# Altium PCB KlusterLab r2.0.PcbDoc (part 3 of 22) (continued)
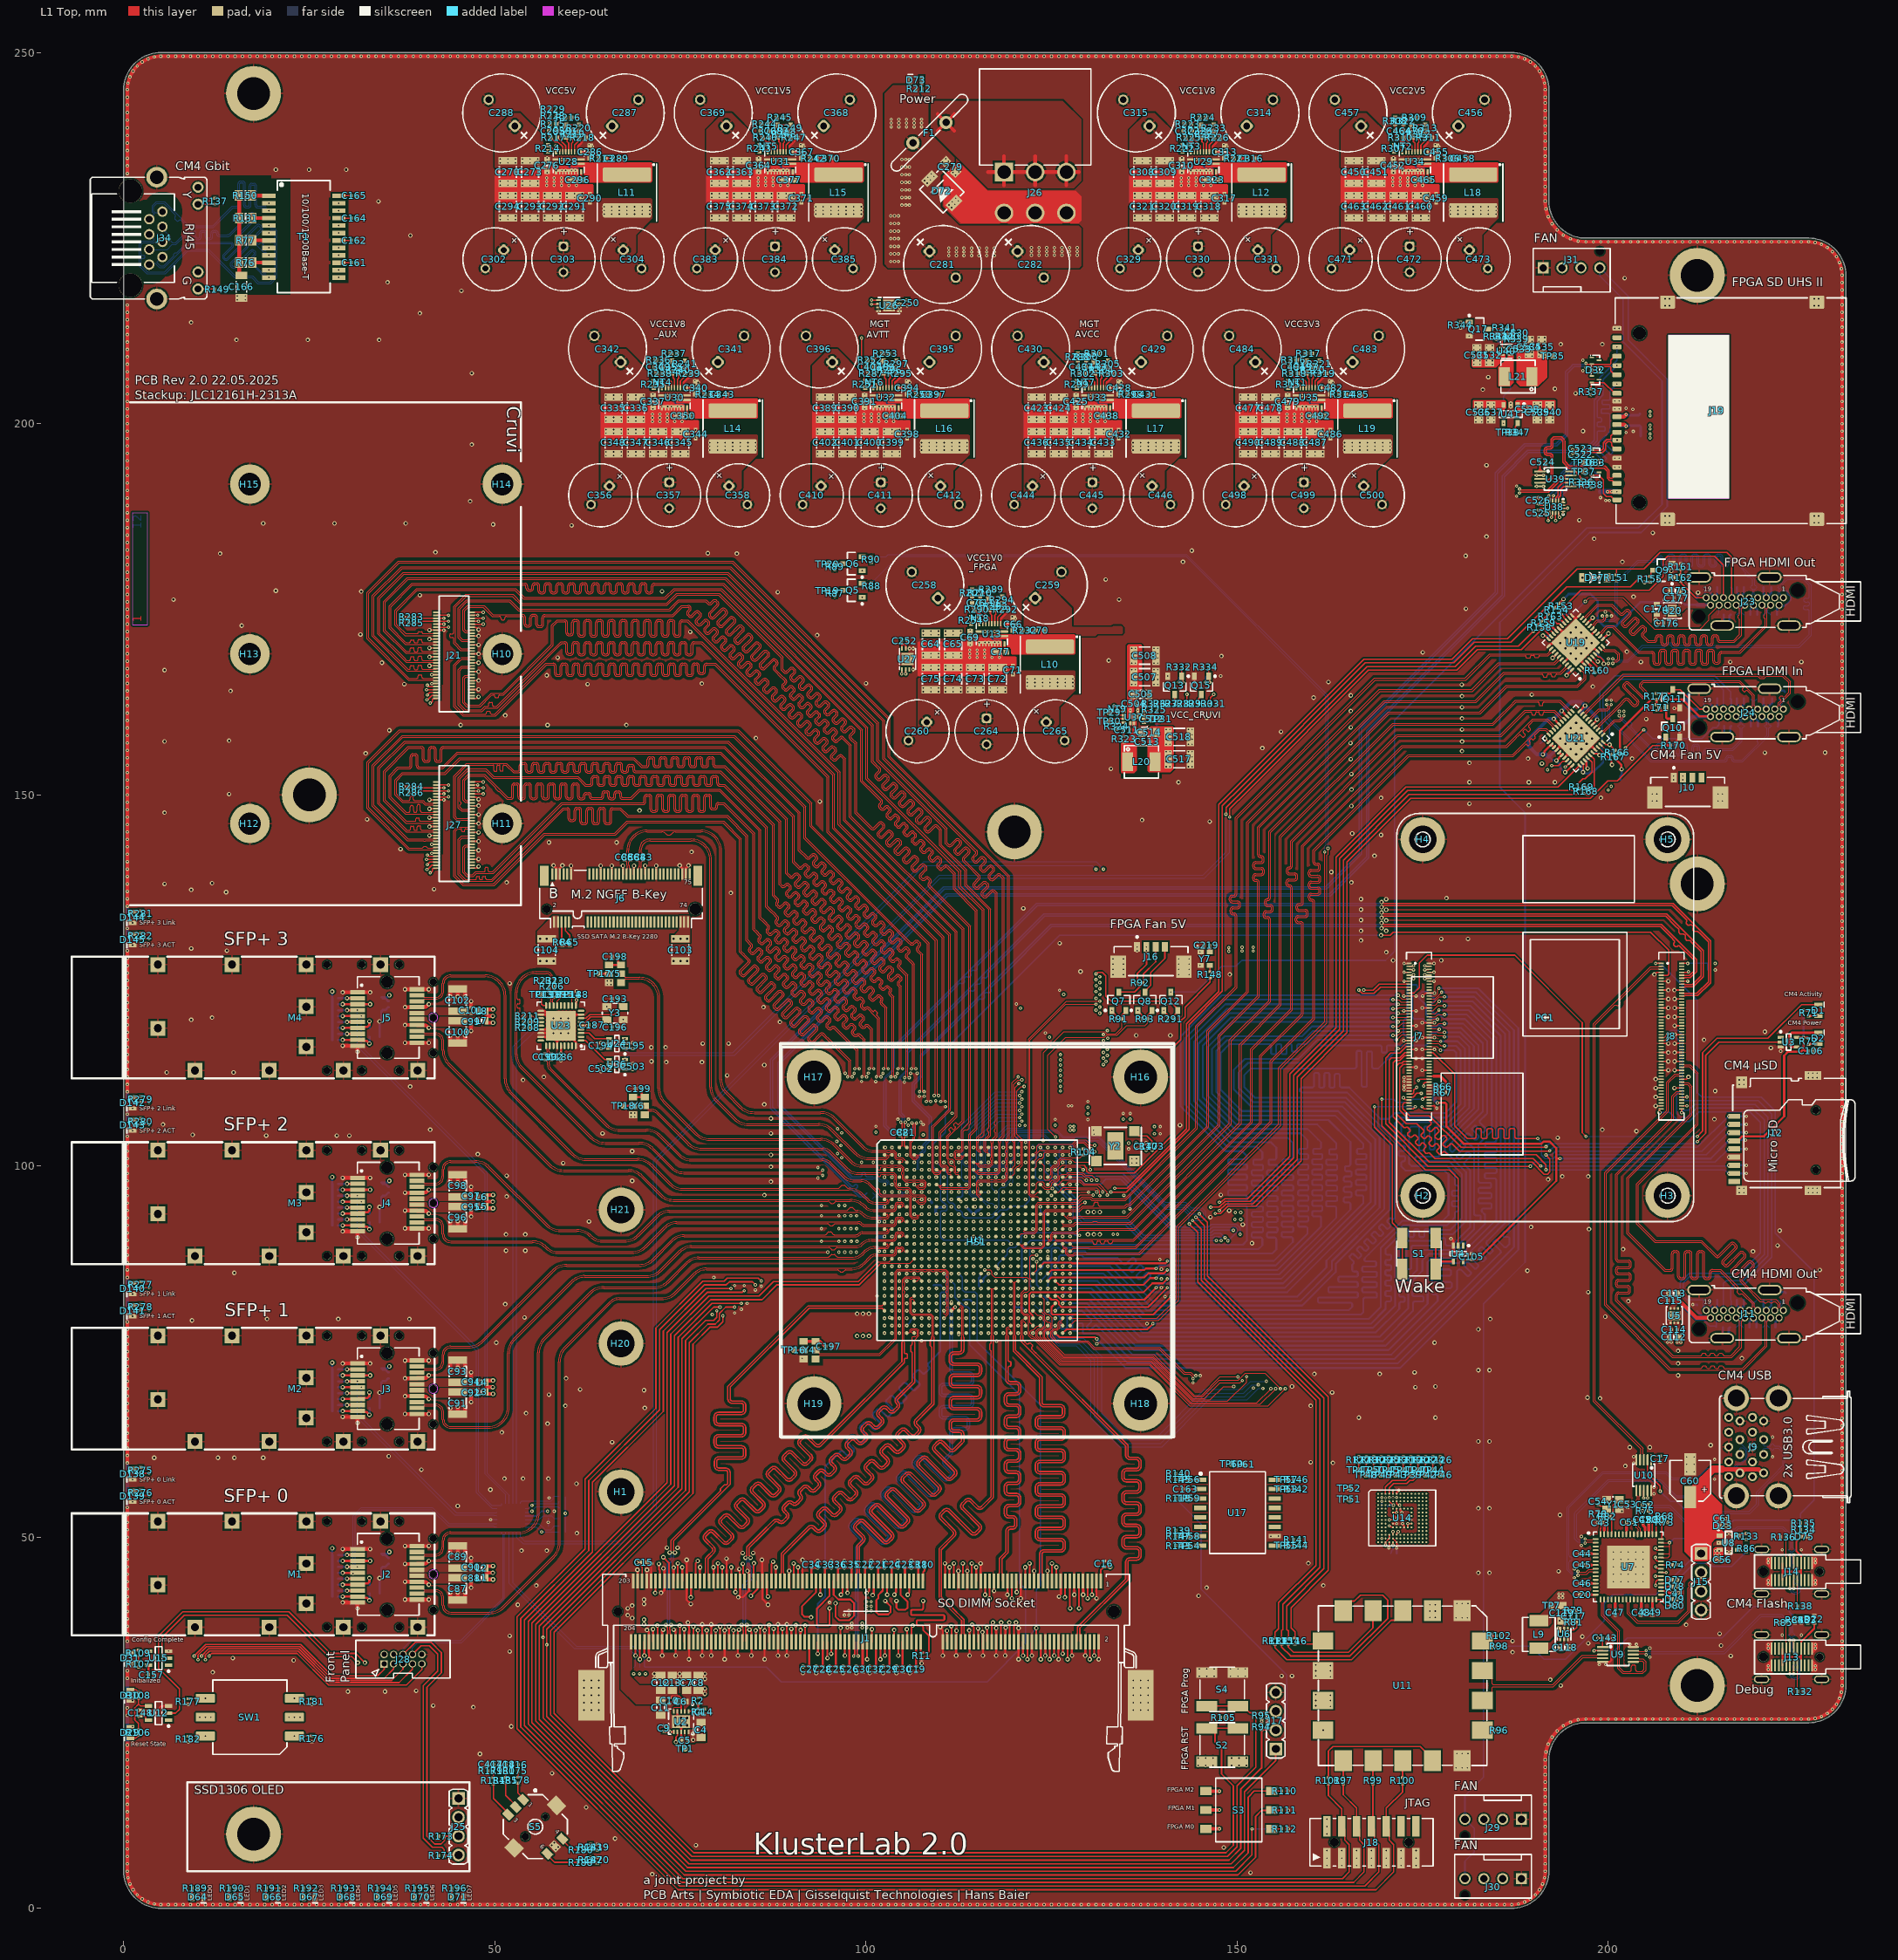
[diagram p0: L1 Top view]
## Footprints (in the part's own frame and the unit in brackets; to place one, negate y for a bottom-side part, rotate by r counter-clockwise, add the part's x,y. Pads: shape width x height; smd on the part's side, far side on the other; paste and mask are expansions set on the pad) (continued)
  silkscreen extent -11.3,-1.69 11.3,1.7, body extent -11.3,-1.69 11.3,1.69, height 2.86
JTAG-SMT3-NC [mm] "JTAG-SMT3-NC PROGRAMMING MODULEDIGILENT"
  rect 2.8x2.3 smd paste+0 mask+0: 1(-10.1,8)
  rrect0% 2.8x2.3 smd paste+0 mask+0: 2(-10.1,4) 3(-10.1,0) 4(-10.1,-4) 5(-10.1,-8) 10(10.1,-8) 11(10.1,-4) 12(10.1,0) 13(10.1,4) 14(10.1,8)
  rrect0% 2.3x2.8 smd paste+0 mask+0: 6(-6,-10.725) 7(-2,-10.725) 8(2,-10.725) 9(6,-10.725) 15(6,10.725) 16(2,10.725) 17(-2,10.725) 18(-6,10.725)
  silkscreen extent -10.75,-11.35 10.75,11.35, body extent -10.75,-11.38 10.75,11.37, height 2.61
L_0603 [mm] "Chip Inductor, 2-Leads, Body 1,60x0,8mm"
  rect 1x0.55 smd: 1(0,-0.625) 2(0,0.625)
  silkscreen extent -0.37,-0.15 0.38,0.15, body extent -0.4,-0.8 0.4,0.8, height 0.8
"LED-0603 Sideview" [mm] "LED 1.6x1.2x0.6mm package"
  rect 0.55x1.1 smd: 1(-0.75,0) 2(0.75,0)
  silkscreen extent -1.1,0.77 -0.43,0.77, body extent -0.82,-0.34 0.83,0.81, height 0.6
LL3301BF065QJ [mm] "Push Button LL3301BF065QJ H: 9.8"
  rect 2.8x1.4 smd: 1(-2.1,2.25) 2(-2.1,-2.25) 3(2.1,2.25) 4(2.1,-2.25)
  silkscreen extent -3,-3 3,3, body extent -3.3,-3 3.3,3, height 9.8
"Molex 53398-0476" [mm] "1.25mm Pitch, PicoBlade PCB Header, Single Row, Vertical, Surface Mount, Tin-Copper Plating"
  rect 2.1x3 smd paste+0: 0(-4.425,0.75) 0(4.425,0.75)
  rect 0.8x1.3 smd paste+0: 1(1.875,-1.9) 2(0.625,-1.9) 3(-0.625,-1.9) 4(-1.875,-1.9)
  silkscreen extent -4.97,-3.37 4.97,1.95, body extent -5.58,-2.75 5.58,2.35, height 0.25
"Molex 87427-0602" [mm] "Pin header 4,20mm 6Pol right angled"
  rect 2.5x2.5 hole 1.8: 1(3.05,-4.2)
  round 2.5 hole 1.8: 2(3.05,0) 3(3.05,4.2) 4(8.55,-4.2) 5(8.55,0) 6(8.55,4.2)
  silkscreen extent -10.85,-7.5 2.1,7.5, body extent -10.8,-7.5 9.13,7.5, height 11.4
"Net Tie-0.3" [mm] "Net Tie"
  rect 0.3x0.2 smd paste-1 mask-1: 1(-0.25,0) 2(0.25,0)
  L1 Top region: -0.397,-0.1 0.403,-0.1 0.403,0.1 -0.397,0.1
"PINREX 744-81-04TG20" [mm] "FAN Connector header 2.54mm 4Pol"
  rect 1.5x1.5 hole 1: 1(3.81,0)
  round 1.5 hole 1: 2(1.27,0) 3(-1.27,0) 4(-3.81,0)
  rect 0x0 hole 1.1 unplated: ""(-3.81,-2.23)
  silkscreen extent -5.2,-2.63 5.15,3.25, body extent -5.1,-2.55 5.1,3.2, height 10.05
QFN40P180X260X55-16N [mm] "QFN, 16-Leads, Body 1.8x2.6mm, Pitch 0.4mm, TI Recommended"
  rrect50% 0.7x0.2 smd: 1(-0.75,0.6)
  rrect50% 0.6x0.2 smd: 2(-0.8,0.2) 3(-0.8,-0.2) 4(-0.8,-0.6) 9(0.8,-0.6) 10(0.8,-0.2) 11(0.8,0.2) 12(0.8,0.6)
  rrect50% 0.2x0.6 smd: 5(-0.6,-1.2) 6(-0.2,-1.2) 7(0.2,-1.2) 8(0.6,-1.2) 13(0.6,1.2) 14(0.2,1.2) 15(-0.2,1.2) 16(-0.6,1.2)
  silkscreen extent -1.08,-1.33 1.08,1.45, body extent -0.92,-1.32 0.92,1.33, height 0.56
QFN50P200x300x85-12 [mm]
  rect 1.4x0.35 smd paste+0 mask+0: 1(-0.45,0.5) 2(-0.45,-0.5) 8(0.45,0)
  rect 0.35x0.6 smd paste+0 mask+0: 3(-0.75,-1.35) 4(-0.25,-1.35) 5(0.25,-1.35) 6(0.75,-1.35) 9(0.75,1.35) 10(0.25,1.35) 11(-0.25,1.35) 12(-0.75,1.35)
  rect 0.6x0.35 smd paste+0 mask+0: 7(0.85,-0.5)
  silkscreen extent -1.62,-1.8 1.4,1.8, body extent -1,-1.5 1,1.5, height 0.85
QFN50P201X181X60_HS-7N [mm] "QFN, 6-Leads, Body 2,01x1,81mm, Pitch 0,50mm, Thermal Pad 1,00x1,40mm, IPC Medium Density"
  rect 0.35x0.25 smd: 1(-0.975,0.5) 2(-0.975,0) 3(-0.975,-0.5) 4(0.975,-0.5) 5(0.975,0) 6(0.975,0.5)
  rect 1.2x1.6 smd paste-1: 7(0,0)
  silkscreen extent -1.24,-1.09 1.19,1.5, body extent -1.01,-0.9 1.01,0.9, height 0.58
QFN50P300X300X100-11N [mm] "QFN, 10-Leads, Body 3,00x3,00mm, Pitch 0,50mm, Thermal Pad 1,65x2,40mm, IPC Medium Density"
  rrect5% 0.6x0.25 smd: 1(-1.4,1) 2(-1.4,0.5) 3(-1.4,0) 4(-1.4,-0.5) 5(-1.4,-1) 6(1.4,-1) 7(1.4,-0.5) 8(1.4,0) 9(1.4,0.5) 10(1.4,1)
  rect 1.65x2.4 smd: 11(0,0)
  silkscreen extent -2.47,-1.7 1.7,1.7, body extent -1.55,-1.55 1.55,1.55, height 0.8
QFN50P400X400X100-25N [mm] "QFN, 24-Leads, Body 4,00x4,00mm, Thermal Pad 2,7x2,7mm, Pitch 0,50mm, IPC Medium Density"
  rect 0.6x0.25 smd: 1(-1.912,1.25) 2(-1.912,0.75) 3(-1.913,0.25) 4(-1.913,-0.25) 5(-1.913,-0.75) 6(-1.913,-1.25) 13(1.913,-1.25) 14(1.913,-0.75) 15(1.913,-0.25) 16(1.913,0.25) 17(1.913,0.75) 18(1.913,1.25)
  rect 0.25x0.6 smd: 7(-1.25,-1.913) 8(-0.75,-1.913) 9(-0.25,-1.913) 10(0.25,-1.913) 11(0.75,-1.913) 12(1.25,-1.913) 19(1.25,1.913) 20(0.75,1.913) 21(0.25,1.913) 22(-0.25,1.913) 23(-0.75,1.913) 24(-1.25,1.913)
  rect 2.7x2.7 smd paste-0.1: 25(0,0)
  silkscreen extent -2.25,-2.25 2.25,2.25, body extent -2.05,-2.05 2.05,2.05, height 0.6
QFN50P600X600X85-37N [mm]
  oval 0.9x0.3 smd: 1(-2.71,2) 2(-2.71,1.5) 3(-2.71,1) 4(-2.71,0.5) 5(-2.71,0) 6(-2.71,-0.5) 7(-2.71,-1) 8(-2.71,-1.5) 9(-2.71,-2) 19(2.71,-2) 20(2.71,-1.5) 21(2.71,-1) 22(2.71,-0.5) 23(2.71,0) 24(2.71,0.5) 25(2.71,1) 26(2.71,1.5) 27(2.71,2)
  oval 0.3x0.9 smd: 10(-2,-2.71) 11(-1.5,-2.71) 12(-1,-2.71) 13(-0.5,-2.71) 14(0,-2.71) 15(0.5,-2.71) 16(1,-2.71) 17(1.5,-2.71) 18(2,-2.71) 28(2,2.71) 29(1.5,2.71) 30(1,2.71) 31(0.5,2.71) 32(0,2.71) 33(-0.5,2.71) 34(-1,2.71) 35(-1.5,2.71) 36(-2,2.71)
  rect 4x4 smd paste-5: 37(0,0)
  silkscreen extent -3.2,-3.2 3.2,3.2, body extent -3,-3 3,3, height 0.85
QFN50P600X600X100-41N [mm]
  oval 0.725x0.3 smd: 1(-2.93,2.25) 2(-2.93,1.75) 3(-2.93,1.25) 4(-2.93,0.75) 5(-2.93,0.25) 6(-2.93,-0.25) 7(-2.93,-0.75) 8(-2.93,-1.25) 9(-2.93,-1.75) 10(-2.93,-2.25) 21(2.93,-2.25) 22(2.93,-1.75) 23(2.93,-1.25) 24(2.93,-0.75) 25(2.93,-0.25) 26(2.93,0.25) 27(2.93,0.75) 28(2.93,1.25) 29(2.93,1.75) 30(2.93,2.25)
  oval 0.3x0.725 smd: 11(-2.25,-2.93) 12(-1.75,-2.93) 13(-1.25,-2.93) 14(-0.75,-2.93) 15(-0.25,-2.93) 16(0.25,-2.93) 17(0.75,-2.93) 18(1.25,-2.93) 19(1.75,-2.93) 20(2.25,-2.93) 31(2.25,2.93) 32(1.75,2.93) 33(1.25,2.93) 34(0.75,2.93) 35(0.25,2.93) 36(-0.25,2.93) 37(-0.75,2.93) 38(-1.25,2.93) 39(-1.75,2.93) 40(-2.25,2.93)
  rect 4.65x4.65 smd paste-5: 41(0,0)
  silkscreen extent -3.97,-3.2 3.2,3.2, body extent -3,-3 3,3, height 0.8
QFN50P900X900X90_HS-65N [mm] "QFN, 64-Leads, Body 9,00x9,00mm, Pitch 0,50mm, Thermal Pad 5,75x5,75mm, IPC Medium Density"
  oval 0.8x0.25 smd: 1(-4.4,3.75) 2(-4.4,3.25) 3(-4.4,2.75) 4(-4.4,2.25) 5(-4.4,1.75) 6(-4.4,1.25) 7(-4.4,0.75) 8(-4.4,0.25) 9(-4.4,-0.25) 10(-4.4,-0.75) 11(-4.4,-1.25) 12(-4.4,-1.75) 13(-4.4,-2.25) 14(-4.4,-2.75) 15(-4.4,-3.25) 16(-4.4,-3.75) 33(4.4,-3.75) 34(4.4,-3.25) 35(4.4,-2.75) 36(4.4,-2.25) 37(4.4,-1.75) 38(4.4,-1.25) 39(4.4,-0.75) 40(4.4,-0.25) 41(4.4,0.25) 42(4.4,0.75) 43(4.4,1.25) 44(4.4,1.75) 45(4.4,2.25) 46(4.4,2.75) 47(4.4,3.25) 48(4.4,3.75)
  oval 0.25x0.8 smd: 17(-3.75,-4.4) 18(-3.25,-4.4) 19(-2.75,-4.4) 20(-2.25,-4.4) 21(-1.75,-4.4) 22(-1.25,-4.4) 23(-0.75,-4.4) 24(-0.25,-4.4) 25(0.25,-4.4) 26(0.75,-4.4) 27(1.25,-4.4) 28(1.75,-4.4) 29(2.25,-4.4) 30(2.75,-4.4) 31(3.25,-4.4) 32(3.75,-4.4) 49(3.75,4.4) 50(3.25,4.4) 51(2.75,4.4) 52(2.25,4.4) 53(1.75,4.4) 54(1.25,4.4) 55(0.75,4.4) 56(0.25,4.4) 57(-0.25,4.4) 58(-0.75,4.4) 59(-1.25,4.4) 60(-1.75,4.4) 61(-2.25,4.4) 62(-2.75,4.4) 63(-3.25,4.4) 64(-3.75,4.4)
  rect 5.75x5.75 smd paste-6: 65(0,0)
  silkscreen extent -5.47,-4.7 4.7,4.7, body extent -4.55,-4.55 4.55,4.55, height 0.9
QT24A01 [mm] "QT24A01 10/100/1000Base-T Single Port Transformer"
  rect 0.64x1.78 smd: 1(-5.5,-4.71) 2(-4.5,-4.71) 3(-3.5,-4.71) 4(-2.5,-4.71) 5(-1.5,-4.71) 6(-0.5,-4.71) 7(0.5,-4.71) 8(1.5,-4.71) 9(2.5,-4.71) 10(3.5,-4.71) 11(4.5,-4.71) 12(5.5,-4.71) 13(5.5,4.71) 14(4.5,4.71) 15(3.5,4.71) 16(2.5,4.71) 17(1.5,4.71) 18(0.5,4.71) 19(-0.5,4.71) 20(-1.5,4.71) 21(-2.5,4.71) 22(-3.5,4.71) 23(-4.5,4.71) 24(-5.5,4.71)
  silkscreen extent -7.55,-3.55 7.55,3.55, body extent -7.55,-5.25 7.55,5.25, height 4.5
RASPBERRYPI_CM4 [mm] "RaspberryPi_CM4 board"
  silkscreen extent -27.5,-20 27.5,20, body extent -27.5,-20 27.5,20, height 6.65
RES_0402 [mm] "Chip Resistor, 2-Leads, Body 1,00x0,50mm"
  rect 0.6x0.55 smd: 1(-0.425,0) 2(0.425,0)
  body extent -0.52,-0.28 0.52,0.27, height 0.4
RES_0402_L [mm] "Chip Resistor, 2-Leads, Body 1,00x0,53mm, IPC High Density"
  rect 0.38x0.48 smd: 1(-0.395,0) 2(0.395,0)
  body extent -0.53,-0.27 0.52,0.28, height 0.4
RES_0603_L [mm] "Chip Resistor, 2-Leads, Body 1,60x0,80mm, IPC High Density"
  rect 0.65x0.9 smd: 1(-0.675,0) 2(0.675,0)
  silkscreen extent -0.05,-0.48 0.05,0.47, body extent -0.87,-0.47 0.88,0.48, height 0.54
RES_0805 [mm] "Chip Resistor, 2-Leads, Body 2,00x1,25mm"
  rect 1.1x1.4 smd: 1(-0.875,0) 2(0.875,0)
  silkscreen extent -0.13,-0.7 0.12,0.7, body extent -1.1,-0.67 1.1,0.68, height 0.69
"S3D - Shenzhen SCTF Elec" [mm] "Clock Oscillator 3.2x2.5x1mm"
  rect 1.2x0.95 smd: 1(-1.1,-0.875) 2(1.1,-0.875) 3(1.1,0.875) 4(-1.1,0.875)
  silkscreen extent -1.73,-1.35 1.73,1.35, body extent -1.6,-1.25 1.6,1.25, height 1
SOD123 [mm] "SOD123 small SMD plastic package"
  rect 0.91x1.22 smd: 1(-1.65,0) 2(1.65,0)
  silkscreen extent -0.75,-0.78 0.75,0.77, body extent -1.85,-0.77 1.85,0.77, height 1.35
SOD-882 [mm] "SOD-882 small SMD plastic package"
  rect 0.6x0.35 smd: 1(0,0.325) 2(0,-0.325)
  silkscreen extent -0.3,0.7 0.3,0.7, body extent -0.3,-0.5 0.3,0.5, height 0.38
SOIC16_Widebody [mm] "SOIC 08, 8-Leads, Body 7,60x10,50mm, Pitch 1,27mm,"
  rect 1.65x0.6 smd: 1(-5,4.445) 2(-5,3.175) 3(-5,1.905) 4(-5,0.635) 5(-5,-0.635) 6(-5,-1.905) 7(-5,-3.175) 8(-5,-4.445) 9(5,-4.445) 10(5,-3.175) 11(5,-1.905) 12(5,-0.635) 13(5,0.635) 14(5,1.905) 15(5,3.175) 16(5,4.445)
  silkscreen extent -5.1,-5.5 3.75,5.5, body extent -5.45,-5.44 5.45,5.44, height 2.8
SON50P150X80-6N [mm] "SON, 6-Leads, Body 1,50x1,50mm, Pitch 0,50mm, IPC Medium Density"
  rect 0.85x0.28 smd: 1(-0.525,0.5)
  rect 0.75x0.28 smd: 2(-0.575,0) 3(-0.575,-0.5) 4(0.575,-0.5) 5(0.575,0) 6(0.575,0.5)
  silkscreen extent -0.82,-0.93 0.77,1.3, body extent -0.75,-0.75 0.75,0.75, height 0.77
SOP50P300X300X110-10N [mm]
  rect 1.538x0.252 smd paste+0 mask+0: 1(-2.067,1)
  rrect100% 1.538x0.252 smd paste+0 mask+0: 2(-2.067,0.5) 3(-2.067,0) 4(-2.067,-0.5) 5(-2.067,-1) 6(2.067,-1) 7(2.067,-0.5) 8(2.067,0) 9(2.067,0.5) 10(2.067,1)
  silkscreen extent -1.5,-1.5 1.5,1.5, body extent -2.46,-1.5 2.46,1.5, height 1.1
SOT65P210X100-6N [mm] "SOT23, 6-Leads, Body 2,00x2,10mm, Pitch 0,65mm, IPC Medium Density"
  rect 0.8x0.4 smd: 1(-1.075,0.65) 2(-1.075,0) 3(-1.075,-0.65) 4(1.075,-0.65) 5(1.075,0) 6(1.075,0.65)
  silkscreen extent -1.2,-1.1 0.3,1.52, body extent -1.2,-1.1 1.2,1.1, height 1.1
SOT65P210X110-5N [mm] "SOT23, 5-Leads, Body 2,00x2,10mm, Pitch 0,65mm, IPC Medium Density"
  rect 0.8x0.4 smd: 1(-1.075,0.65) 2(-1.075,0) 3(-1.075,-0.65) 4(1.075,-0.65) 5(1.075,0.65)
  silkscreen extent -1.2,-1.1 0.3,1.52, body extent -1.2,-1.1 1.2,1.1, height 1.1
SOT95P251X112-3N [mm] "SOT23, 3-Leads, Body 2,92x2,51mm, Pitch 0,95mm, IPC Medium Density"
  rect 0.95x0.65 smd: 1(-1.235,0.95) 2(-1.235,-0.95) 3(1.235,0)
  silkscreen extent -1.36,-1.5 0.76,1.95, body extent -1.25,-1.5 1.25,1.5, height 1.1
SOT95P275X110-5N [mm] "SOT23, 5-Leads, Body 2,90x2,75mm, Pitch 0,95mm, IPC Medium Density"
  rect 1x0.5 smd: 1(-1.35,0.95) 2(-1.35,0) 3(-1.35,-0.95) 4(1.35,-0.95) 5(1.35,0.95)
  silkscreen extent -1.47,-1.55 0.45,1.87, body extent -1.25,-1.5 1.25,1.5, height 1.1
SOT95P285X140-5N [mm] "SOT23, 5-Leads, Body 3,00x2,85mm, Pitch 0,95mm, IPC Medium Density"
  rect 0.8x0.55 smd: 1(-1.225,0.95) 2(-1.225,0) 3(-1.225,-0.95) 4(1.225,-0.95) 5(1.225,0.95)
  silkscreen extent -1.5,-1.55 0.45,1.92, body extent -1.25,-1.5 1.25,1.5, height 1.1
"SOT1069-2 (HWSON8)" [mm] "HWSON, 8-Leads, Body 2,00x3,00mm, Pitch 0,5mm"
  rect 0.625x0.25 smd: 1(-1.412,0.75) 2(-1.412,0.25) 3(-1.412,-0.25) 4(-1.412,-0.75) 5(1.412,-0.75) 6(1.412,-0.25) 7(1.412,0.25) 8(1.412,0.75)
  rect 1.6x1.6 smd paste-0.5: 9(0,0)
  silkscreen extent -1.45,-1.1 1.45,1.1, body extent -1.5,-1 1.5,1, height 0.8
SS4-30-3.50-L-D-K-TR [mm] "Platine-zu-Platine & Mezzanine-Steckverbinder 0.40"
  rect 0.23x0.93 smd mask+0: 1(5.59,2.335) 2(5.59,-2.335) 3(5.19,2.335) 4(5.19,-2.335) 5(4.79,2.335) 6(4.79,-2.335) 7(4.39,2.335) 8(4.39,-2.335) 9(3.99,2.335) 10(3.99,-2.335) 11(3.59,2.335) 12(3.59,-2.335) 13(3.19,2.335) 14(3.19,-2.335) 15(2.79,2.335) 16(2.79,-2.335) 17(2.39,2.335) 18(2.39,-2.335) 19(1.99,2.335) 20(1.99,-2.335) 21(1.59,2.335) 22(1.59,-2.335) 23(1.19,2.335) 24(1.19,-2.335) 25(0.79,2.335) 26(0.79,-2.335) 27(0.39,2.335) 28(0.39,-2.335) 29(-0.01,2.335) 30(-0.01,-2.335) 31(-0.41,2.335) 32(-0.41,-2.335) 33(-0.81,2.335) 34(-0.81,-2.335) 35(-1.21,2.335) 36(-1.21,-2.335) 37(-1.61,2.335) 38(-1.61,-2.335) 39(-2.01,2.335) 40(-2.01,-2.335) 41(-2.41,2.335) 42(-2.41,-2.335) 43(-2.81,2.335) 44(-2.81,-2.335) 45(-3.21,2.335) 46(-3.21,-2.335) 47(-3.61,2.335) 48(-3.61,-2.335) 49(-4.01,2.335) 50(-4.01,-2.335) 51(-4.41,2.335) 52(-4.41,-2.335) 53(-4.81,2.335) 54(-4.81,-2.335) 55(-5.21,2.335) 56(-5.21,-2.335) 57(-5.61,2.335) 58(-5.61,-2.335) 59(-6.01,2.335) 60(-6.01,-2.335)
  silkscreen extent -7.8,-2 7.8,2, body extent -7.77,-2.5 7.77,2.5, height 4.13
"Testpoint 0.8mm" [mm] "Testpoint 0.8mm"
  round 0.8 smd paste-1: 1(0,0)
  body extent -0.4,-0.4 0.4,0.4, height 0.1
TF-115 [mm] "Micro SD Card Slot TF-115"
  rect 0.7x1.6 smd: 1(2.25,7.5) 2(1.15,7.5) 3(0.05,7.5) 4(-1.05,7.5) 5(-2.15,7.5) 6(-3.25,7.5) 7(-4.35,7.5) 8(-5.45,7.5) 9(-6.55,7.5)
  rect 1.2x1.5 smd: 10(-7.75,6.5)
  rect 1.6x1.5 smd: 11(6.85,6.5)
  rect 1.2x2.2 smd: 12(-7.75,-3.1) 13(7.75,-3.1)
  round 1 hole 1 unplated: MT(-4.95,-3.5) MT(3.05,-3.5)
  silkscreen extent -7.35,-8.78 7.35,7.71, body extent -8,-8.78 8,7.71, height 1.93
TVS_0402 [mm] "TVS Diode, 2-Leads, Body 1,00x0,50mm"
  rect 0.6x0.55 smd paste-0.095: 1(-0.425,0) 2(0.425,0)
  body extent -0.52,-0.27 0.53,0.28, height 0.4
UEA1112C-8FS6-4F [mm] "USB 3.0A TYPE Connector"
  round 1.2 hole 0.7: 1(-3.5,2) 2(-1,2) 3(1,2) 4(3.5,2) 5(4,3.5) 6(2,3.5) 7(0,3.5) 8(-2,3.5) 9(-4,3.5) 10(-3.5,5.2) 11(-1,5.2) 12(1,5.2) 13(3.5,5.2) 14(4,6.7) 15(2,6.7) 16(0,6.7) 17(-2,6.7) 18(-4,6.7)
  round 3.4 hole 2.3: MT(-6.57,0) MT(-6.57,5.68) MT(6.57,0) MT(6.57,5.68)
  silkscreen extent -7.5,-9.78 7.5,7.92, body extent -7.79,-10.48 7.79,7.82, height 16.6
VQFN-HR21_RWW0021A [mm] "VQFN-HR, 21 Pin, TI RWW0021A, 3.0 x 4.0 mm"
  rrect33% 0.7x0.3 smd mask+0.05: 1(-1.35,1.7) 9(-1.35,-1.7) 11(1.35,-1.7) 19(1.35,1.7)
  rrect33% 0.7x0.2 smd mask+0.05: 2(-1.35,1.2) 3(-1.35,0.8) 4(-1.35,0.4) 5(-1.35,0) 6(-1.35,-0.4) 7(-1.35,-0.8) 8(-1.35,-1.2) 12(1.35,-1.2) 13(1.35,-0.8) 14(1.35,-0.4) 15(1.35,0) 16(1.35,0.4) 17(1.35,0.8) 18(1.35,1.2)
  rrect33% 0.3x1.9 smd paste-2 mask+0.05: 10(-0.3,-1.25) 20(0.3,1.25) 21(-0.3,1.25)
  rrect33% 0.35x3.15 smd mask+0.05: 11(1.175,-0.275)
  silkscreen extent -1.55,-2.1 1.5,2.2, body extent -1.5,-2 1.5,2, height 1
WCAP-ASLI_D5H5.5 [mm] "Aluminium Electrolytic V-Chip SMT Capacitors, 5x5.5mm"
  rect 3x1.6 smd: 1(2.2,0) 2(-2.2,0)
  silkscreen extent -2.75,-2.75 2.75,2.75, body extent -3,-2.65 3,2.65, height 5.5
WCAP-PTG5_D8H13 [mm] "Aluminum Polymer Capacitors, D8 x L11.5+/-1.5mm"
  rrect50% 1.3x1.3 hole 0.8: 1(1.75,0)
  round 1.3 hole 0.8: 2(-1.75,0)
  silkscreen extent -4.25,-4.25 4.25,4.25, body extent -3.99,-4 3.99,3.99, height 11.59
WCAP-PTG5_D10H12.5 [mm] "Aluminum Polymer Capacitors, 10x12.5mm"
  rrect50% 1.4x1.4 hole 0.9: 1(2.5,0)
  round 1.4 hole 0.9: 2(-2.5,0)
  silkscreen extent -5.25,-5.25 5.25,5.25, body extent -4.95,-4.99 5,4.99, height 12.81
WE-TVS-DFN3810-9L [mm] "WE-TVS DFN3810-9L 3.8mm x 1.0mm"
  rrect10% 0.6x0.2 smd mask+0.05: 1(-0.475,1.7) 2(-0.475,0.8) 3(-0.475,0) 4(-0.475,-0.8) 5(-0.475,-1.7) 6(0.475,-1.3) 7(0.475,-0.4) 8(0.475,0.4) 9(0.475,1.3)
  silkscreen extent -0.68,-1.97 0.58,2, body extent -0.5,-1.9 0.5,1.9, height 0.51
"WÜRTH 428521420910" [mm] "Rotary Switches WS-ROSV IP67 10Pos 2.54mm Lt Grey"
  rrect20% 1.2x2.6 smd: 1(-2.54,-6) 2(2.54,6) 4(2.54,-6) 8(-2.54,6) C(0,6) C(0,-6)
  silkscreen extent -5,-5 5,5, body extent -5,-6 5,6, height 14.1